# Altium PCB Load_Bank_Master.PcbDoc (part 3 of 3)
Units mil, origin at the board's own origin, x right, y up, seen from the top; angles counter-clockwise.
Board outline 5535 x 9250 mil, 4 copper layers (Top Layer, Layer 1, Layer 2, Bottom Layer), stack 62.448 mil thick; 225 components, 216 nets, 1024 pads, 192 vias.
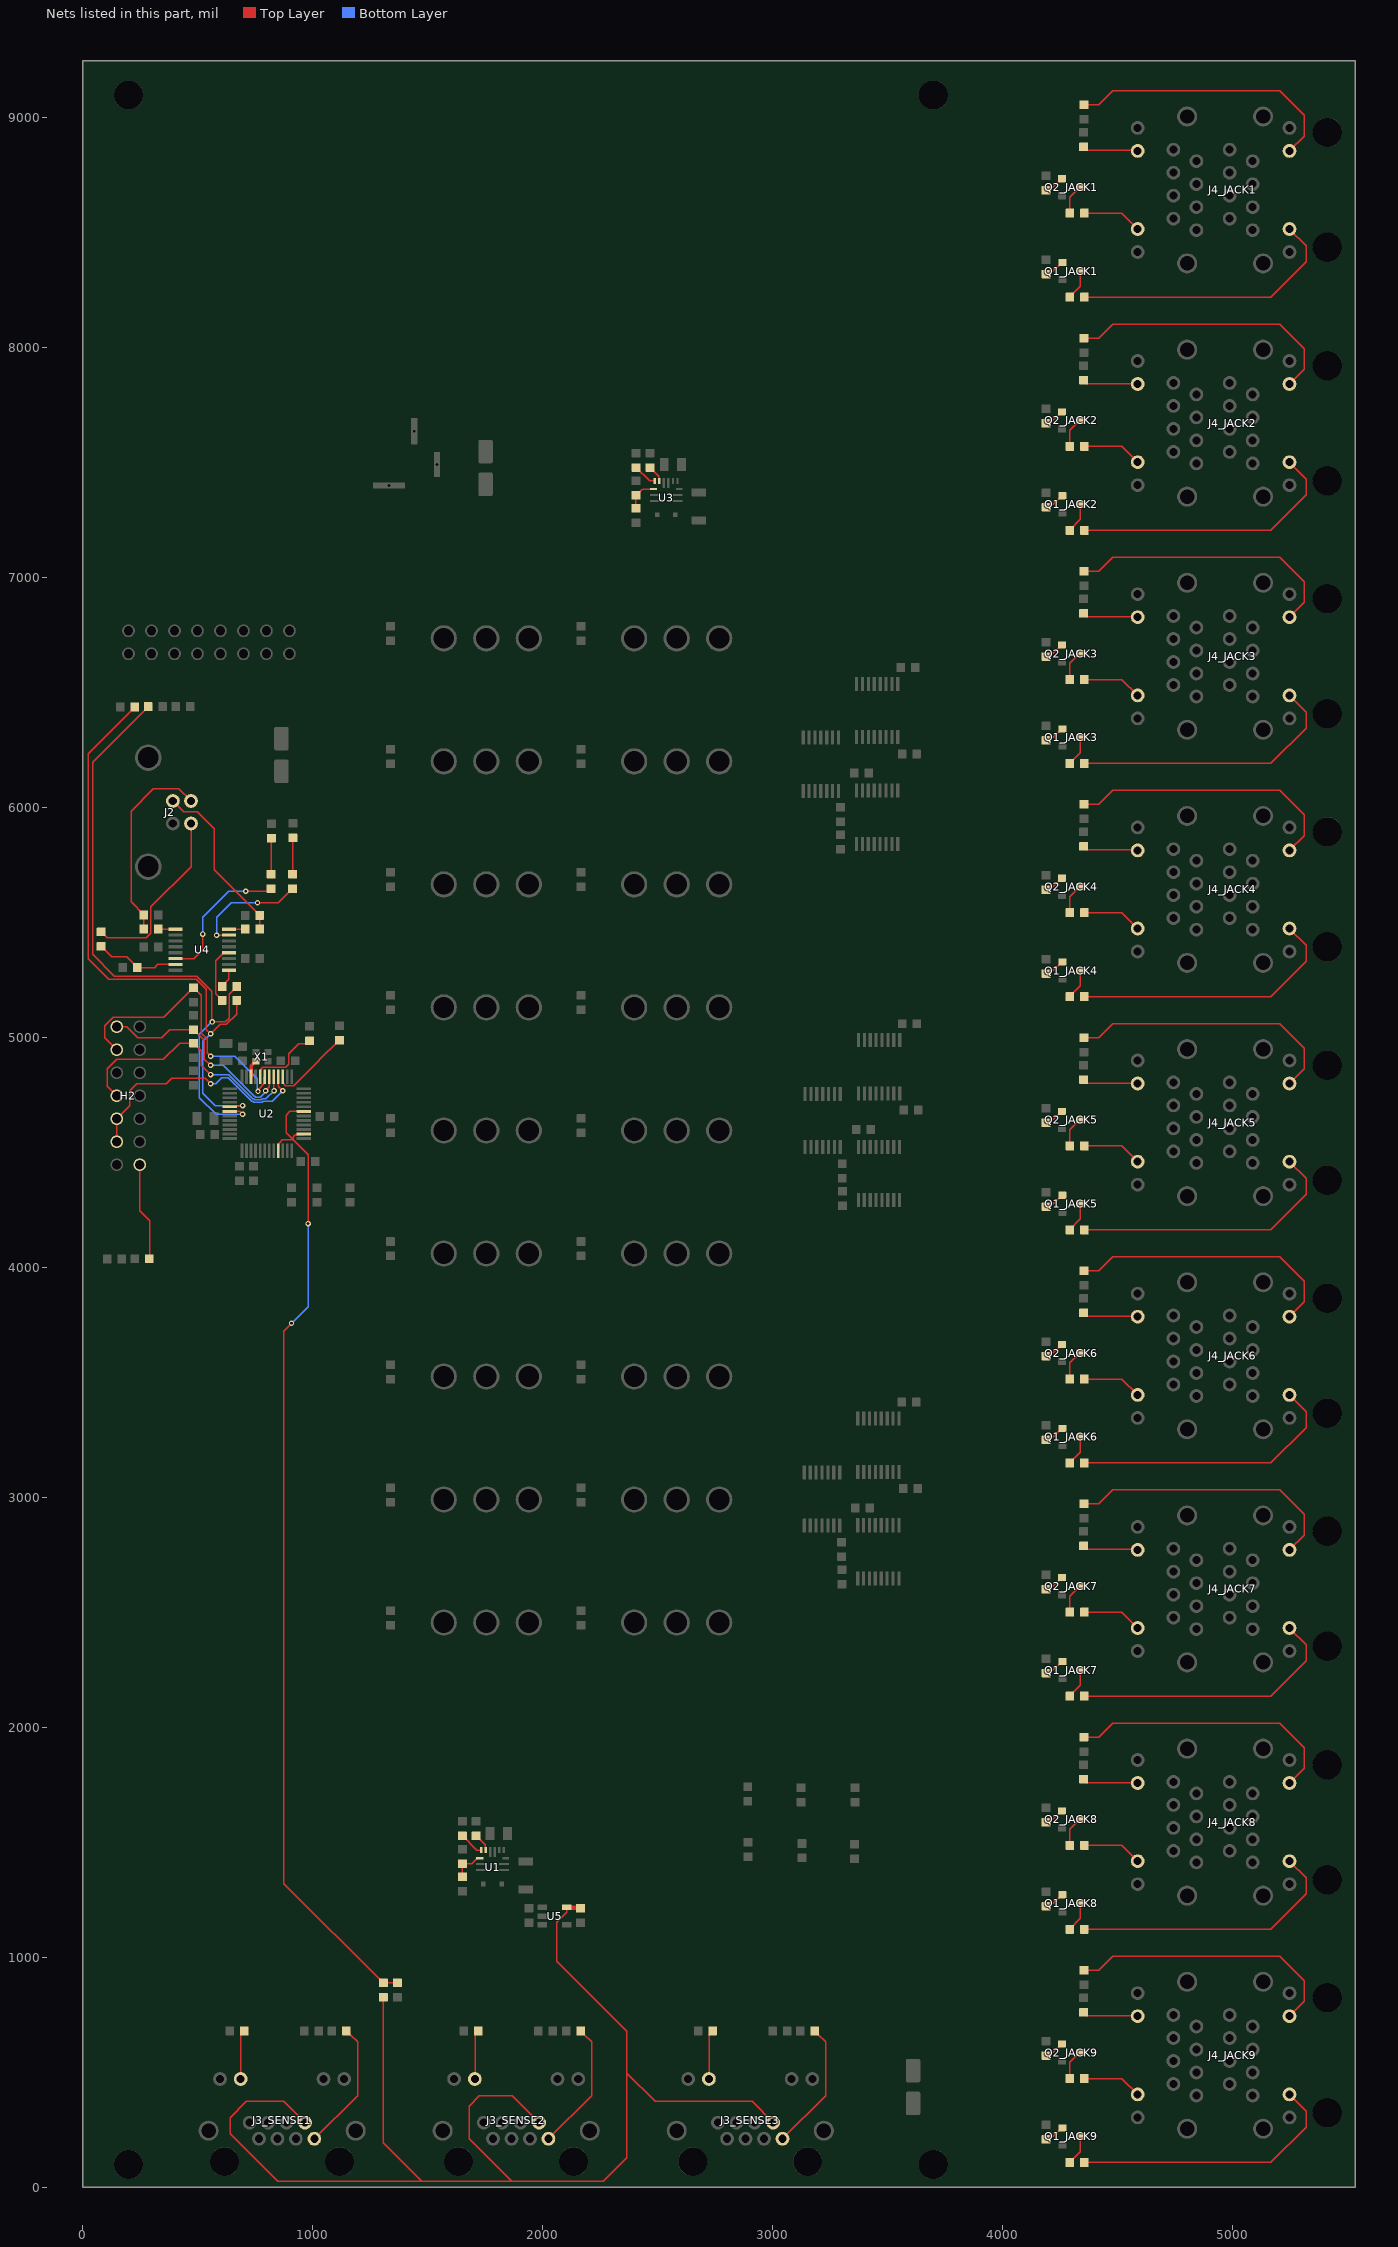
[diagram p5: the nets of this part, all layers, seen from the top]

## Via types
v1: diameter 23.62, hole 11.81, Top Layer to Bottom Layer, 192 vias

## Nets (pads, with @x,y where several pads share a name; then routed paths per layer and width w, separated by ;. In a path a pad name is that pad's centre, name@x,y a point inside that pad or via, vN(x,y) a via of type N, cw(c..) or ccw(c..) an arc to the next point about the centre after c; other vN are vias at no path point) (continued)
NetH2_14: H2.14 R32.1 | length 427.2
  Top Layer w6: H2.14@249,4448 249,4248 292,4205 292,4040 R32.1@291,4039
NetJ3_SENSE1_1: J3_SENSE1.1 R33_SENSE1.1 | length 567.3
  Top Layer w6: J3_SENSE1.1@1008,212 1196,400 1196,633 1164.5,664.5 1163.5,664.5 1148,680 R33_SENSE1.1@1148,681
NetJ3_SENSE1_11: J3_SENSE1.11 R35_SENSE1.2 | length 215.6
  Top Layer w6: J3_SENSE1.11@688,472 689.18,473.17 689.18,666.17 R35_SENSE1.2@704,681
NetJ3_SENSE2_1: J3_SENSE2.1 R33_SENSE2.1 | length 567.3
  Top Layer w6: J3_SENSE2.1@2026,212 2214,400 2214,633 2182.5,664.5 2181.5,664.5 2166,680 R33_SENSE2.1@2166,681
NetJ3_SENSE2_11: J3_SENSE2.11 R35_SENSE2.2 | length 215.6
  Top Layer w6: J3_SENSE2.11@1706,472 1707.18,473.17 1707.18,666.17 R35_SENSE2.2@1722,681
NetJ3_SENSE3_1: J3_SENSE3.1 R33_SENSE3.1 | length 567.3
  Top Layer w6: J3_SENSE3.1@3044,212 3232,400 3232,633 3200.5,664.5 3199.5,664.5 3184,680 R33_SENSE3.1@3184,681
NetJ3_SENSE3_11: J3_SENSE3.11 R35_SENSE3.2 | length 215.6
  Top Layer w6: J3_SENSE3.11@2724,472 2725.18,473.17 2725.18,666.17 R35_SENSE3.2@2740,681
NetJ4_JACK1_110: J4_JACK1.110 R38_JACK1.2 | length 1201
  Top Layer w6: R38_JACK1.2@4357,8221 5168,8221 5322,8375 5322,8444 J4_JACK1.110@5249,8517
NetJ4_JACK1_111: J4_JACK1.111 R42_JACK1.2 | length 1208.1
  Top Layer w6: R42_JACK1.2@4355,9057 4420,9057 4481,9118 5206,9118 5313,9011 5313,8921 J4_JACK1.111@5249,8857
NetJ4_JACK1_210: J4_JACK1.210 R37_JACK1.2 | length 260.6
  Top Layer w6: R37_JACK1.2@4357,8586 4520,8586 J4_JACK1.210@4589,8517
NetJ4_JACK1_211: J4_JACK1.211 R41_JACK1.2 | length 242
  Top Layer w6: R41_JACK1.2@4354,8874 4369.33,8858.67 4587.33,8858.67 J4_JACK1.211@4589,8857
NetJ4_JACK2_110: J4_JACK2.110 R38_JACK2.2 | length 1201
  Top Layer w6: R38_JACK2.2@4357,7207 5168,7207 5322,7361 5322,7430 J4_JACK2.110@5249,7503
NetJ4_JACK2_111: J4_JACK2.111 R42_JACK2.2 | length 1208.1
  Top Layer w6: R42_JACK2.2@4355,8043 4420,8043 4481,8104 5206,8104 5313,7997 5313,7907 J4_JACK2.111@5249,7843
NetJ4_JACK2_210: J4_JACK2.210 R37_JACK2.2 | length 260.6
  Top Layer w6: R37_JACK2.2@4357,7572 4520,7572 J4_JACK2.210@4589,7503
NetJ4_JACK2_211: J4_JACK2.211 R41_JACK2.2 | length 242
  Top Layer w6: R41_JACK2.2@4354,7860 4369.33,7844.67 4587.33,7844.67 J4_JACK2.211@4589,7843
NetJ4_JACK3_110: J4_JACK3.110 R38_JACK3.2 | length 1201
  Top Layer w6: R38_JACK3.2@4357,6193 5168,6193 5322,6347 5322,6416 J4_JACK3.110@5249,6489
NetJ4_JACK3_111: J4_JACK3.111 R42_JACK3.2 | length 1208.1
  Top Layer w6: R42_JACK3.2@4355,7029 4420,7029 4481,7090 5206,7090 5313,6983 5313,6893 J4_JACK3.111@5249,6829
NetJ4_JACK3_210: J4_JACK3.210 R37_JACK3.2 | length 260.6
  Top Layer w6: R37_JACK3.2@4357,6558 4520,6558 J4_JACK3.210@4589,6489
NetJ4_JACK3_211: J4_JACK3.211 R41_JACK3.2 | length 242
  Top Layer w6: R41_JACK3.2@4354,6846 4369.33,6830.68 4587.33,6830.68 J4_JACK3.211@4589,6829
NetJ4_JACK4_110: J4_JACK4.110 R38_JACK4.2 | length 1201
  Top Layer w6: R38_JACK4.2@4357,5179 5168,5179 5322,5333 5322,5402 J4_JACK4.110@5249,5475
NetJ4_JACK4_111: J4_JACK4.111 R42_JACK4.2 | length 1208.1
  Top Layer w6: R42_JACK4.2@4355,6015 4420,6015 4481,6076 5206,6076 5313,5969 5313,5879 J4_JACK4.111@5249,5815
NetJ4_JACK4_210: J4_JACK4.210 R37_JACK4.2 | length 260.6
  Top Layer w6: R37_JACK4.2@4357,5544 4520,5544 J4_JACK4.210@4589,5475
NetJ4_JACK4_211: J4_JACK4.211 R41_JACK4.2 | length 242
  Top Layer w6: R41_JACK4.2@4354,5832 4369.33,5816.68 4587.33,5816.68 J4_JACK4.211@4589,5815
NetJ4_JACK5_110: J4_JACK5.110 R38_JACK5.2 | length 1201
  Top Layer w6: R38_JACK5.2@4357,4165 5168,4165 5322,4319 5322,4388 J4_JACK5.110@5249,4461
NetJ4_JACK5_111: J4_JACK5.111 R42_JACK5.2 | length 1208.1
  Top Layer w6: R42_JACK5.2@4355,5001 4420,5001 4481,5062 5206,5062 5313,4955 5313,4865 J4_JACK5.111@5249,4801
NetJ4_JACK5_210: J4_JACK5.210 R37_JACK5.2 | length 260.6
  Top Layer w6: R37_JACK5.2@4357,4530 4520,4530 J4_JACK5.210@4589,4461
NetJ4_JACK5_211: J4_JACK5.211 R41_JACK5.2 | length 242
  Top Layer w6: R41_JACK5.2@4354,4818 4369.33,4802.68 4587.33,4802.68 J4_JACK5.211@4589,4801
NetJ4_JACK6_110: J4_JACK6.110 R38_JACK6.2 | length 1201
  Top Layer w6: R38_JACK6.2@4357,3151 5168,3151 5322,3305 5322,3374 J4_JACK6.110@5249,3447
NetJ4_JACK6_111: J4_JACK6.111 R42_JACK6.2 | length 1208.1
  Top Layer w6: R42_JACK6.2@4355,3987 4420,3987 4481,4048 5206,4048 5313,3941 5313,3851 J4_JACK6.111@5249,3787
NetJ4_JACK6_210: J4_JACK6.210 R37_JACK6.2 | length 260.6
  Top Layer w6: R37_JACK6.2@4357,3516 4520,3516 J4_JACK6.210@4589,3447
NetJ4_JACK6_211: J4_JACK6.211 R41_JACK6.2 | length 242
  Top Layer w6: R41_JACK6.2@4354,3804 4369.33,3788.68 4587.33,3788.68 J4_JACK6.211@4589,3787
NetJ4_JACK7_110: J4_JACK7.110 R38_JACK7.2 | length 1201
  Top Layer w6: R38_JACK7.2@4357,2137 5168,2137 5322,2291 5322,2360 J4_JACK7.110@5249,2433
NetJ4_JACK7_111: J4_JACK7.111 R42_JACK7.2 | length 1208.1
  Top Layer w6: R42_JACK7.2@4355,2973 4420,2973 4481,3034 5206,3034 5313,2927 5313,2837 J4_JACK7.111@5249,2773
NetJ4_JACK7_210: J4_JACK7.210 R37_JACK7.2 | length 260.6
  Top Layer w6: R37_JACK7.2@4357,2502 4520,2502 J4_JACK7.210@4589,2433
NetJ4_JACK7_211: J4_JACK7.211 R41_JACK7.2 | length 242
  Top Layer w6: R41_JACK7.2@4354,2790 4369.33,2774.68 4587.33,2774.68 J4_JACK7.211@4589,2773
NetJ4_JACK8_110: J4_JACK8.110 R38_JACK8.2 | length 1201
  Top Layer w6: R38_JACK8.2@4357,1123 5168,1123 5322,1277 5322,1346 J4_JACK8.110@5249,1419
NetJ4_JACK8_111: J4_JACK8.111 R42_JACK8.2 | length 1208.1
  Top Layer w6: R42_JACK8.2@4355,1959 4420,1959 4481,2020 5206,2020 5313,1913 5313,1823 J4_JACK8.111@5249,1759
NetJ4_JACK8_210: J4_JACK8.210 R37_JACK8.2 | length 260.6
  Top Layer w6: R37_JACK8.2@4357,1488 4520,1488 J4_JACK8.210@4589,1419
NetJ4_JACK8_211: J4_JACK8.211 R41_JACK8.2 | length 242
  Top Layer w6: R41_JACK8.2@4354,1776 4369.33,1760.68 4587.33,1760.68 J4_JACK8.211@4589,1759
NetJ4_JACK9_110: J4_JACK9.110 R38_JACK9.2 | length 1201
  Top Layer w6: R38_JACK9.2@4357,109 5168,109 5322,263 5322,332 J4_JACK9.110@5249,405
NetJ4_JACK9_111: J4_JACK9.111 R42_JACK9.2 | length 1208.1
  Top Layer w6: R42_JACK9.2@4355,945 4420,945 4481,1006 5206,1006 5313,899 5313,809 J4_JACK9.111@5249,745
NetJ4_JACK9_210: J4_JACK9.210 R37_JACK9.2 | length 260.6
  Top Layer w6: R37_JACK9.2@4357,474 4520,474 J4_JACK9.210@4589,405
NetJ4_JACK9_211: J4_JACK9.211 R41_JACK9.2 | length 242
  Top Layer w6: R41_JACK9.2@4354,762 4369.33,746.67 4587.33,746.67 J4_JACK9.211@4589,745
NetQ1_JACK1_1: Q1_JACK1.1 R38_JACK1.1 | length 132.1
  Top Layer w6: R38_JACK1.1@4294,8221 4294,8222 4340,8268 Q1_JACK1.1@4340,8334
NetQ1_JACK1_2: Q1_JACK1.2 R39_JACK1.1 | length 90.7
  Top Layer w6: R39_JACK1.1@4191,8321 4204.65,8334.65 4222.65,8334.65 4259,8371 Q1_JACK1.2@4261,8371
NetQ1_JACK2_1: Q1_JACK2.1 R38_JACK2.1 | length 132.1
  Top Layer w6: R38_JACK2.1@4294,7207 4294,7208 4340,7254 Q1_JACK2.1@4340,7320
NetQ1_JACK2_2: Q1_JACK2.2 R39_JACK2.1 | length 90.7
  Top Layer w6: R39_JACK2.1@4191,7307 4204.65,7320.65 4222.65,7320.65 4259,7357 Q1_JACK2.2@4261,7357
NetQ1_JACK3_1: Q1_JACK3.1 R38_JACK3.1 | length 132.1
  Top Layer w6: R38_JACK3.1@4294,6193 4294,6194 4340,6240 Q1_JACK3.1@4340,6306
NetQ1_JACK3_2: Q1_JACK3.2 R39_JACK3.1 | length 90.7
  Top Layer w6: R39_JACK3.1@4191,6293 4204.65,6306.65 4222.65,6306.65 4259,6343 Q1_JACK3.2@4261,6343
NetQ1_JACK4_1: Q1_JACK4.1 R38_JACK4.1 | length 132.1
  Top Layer w6: R38_JACK4.1@4294,5179 4294,5180 4340,5226 Q1_JACK4.1@4340,5292
NetQ1_JACK4_2: Q1_JACK4.2 R39_JACK4.1 | length 90.7
  Top Layer w6: R39_JACK4.1@4191,5279 4204.65,5292.65 4222.65,5292.65 4259,5329 Q1_JACK4.2@4261,5329
NetQ1_JACK5_1: Q1_JACK5.1 R38_JACK5.1 | length 132.1
  Top Layer w6: R38_JACK5.1@4294,4165 4294,4166 4340,4212 Q1_JACK5.1@4340,4278
NetQ1_JACK5_2: Q1_JACK5.2 R39_JACK5.1 | length 90.7
  Top Layer w6: R39_JACK5.1@4191,4265 4204.65,4278.65 4222.65,4278.65 4259,4315 Q1_JACK5.2@4261,4315
NetQ1_JACK6_1: Q1_JACK6.1 R38_JACK6.1 | length 132.1
  Top Layer w6: R38_JACK6.1@4294,3151 4294,3152 4340,3198 Q1_JACK6.1@4340,3264
NetQ1_JACK6_2: Q1_JACK6.2 R39_JACK6.1 | length 90.7
  Top Layer w6: R39_JACK6.1@4191,3251 4204.65,3264.65 4222.65,3264.65 4259,3301 Q1_JACK6.2@4261,3301
NetQ1_JACK7_1: Q1_JACK7.1 R38_JACK7.1 | length 132.1
  Top Layer w6: R38_JACK7.1@4294,2137 4294,2138 4340,2184 Q1_JACK7.1@4340,2250
NetQ1_JACK7_2: Q1_JACK7.2 R39_JACK7.1 | length 90.7
  Top Layer w6: R39_JACK7.1@4191,2237 4204.65,2250.65 4222.65,2250.65 4259,2287 Q1_JACK7.2@4261,2287
NetQ1_JACK8_1: Q1_JACK8.1 R38_JACK8.1 | length 132.1
  Top Layer w6: R38_JACK8.1@4294,1123 4294,1124 4340,1170 Q1_JACK8.1@4340,1236
NetQ1_JACK8_2: Q1_JACK8.2 R39_JACK8.1 | length 90.7
  Top Layer w6: R39_JACK8.1@4191,1223 4204.65,1236.65 4222.65,1236.65 4259,1273 Q1_JACK8.2@4261,1273
NetQ1_JACK9_1: Q1_JACK9.1 R38_JACK9.1 | length 132.1
  Top Layer w6: R38_JACK9.1@4294,109 4294,110 4340,156 Q1_JACK9.1@4340,222
NetQ1_JACK9_2: Q1_JACK9.2 R39_JACK9.1 | length 90.7
  Top Layer w6: R39_JACK9.1@4191,209 4204.65,222.65 4222.65,222.65 4259,259 Q1_JACK9.2@4261,259
NetQ2_JACK1_1: Q2_JACK1.1 R37_JACK1.1 | length 132.8
  Top Layer w6: R37_JACK1.1@4294,8586 4294,8656 4337,8699 Q2_JACK1.1@4339,8699
NetQ2_JACK1_2: Q2_JACK1.2 R40_JACK1.1 | length 90.7
  Top Layer w6: R40_JACK1.1@4190,8686 4203.65,8699.65 4221.65,8699.65 4258,8736 Q2_JACK1.2@4260,8736
NetQ2_JACK2_1: Q2_JACK2.1 R37_JACK2.1 | length 132.8
  Top Layer w6: R37_JACK2.1@4294,7572 4294,7642 4337,7685 Q2_JACK2.1@4339,7685
NetQ2_JACK2_2: Q2_JACK2.2 R40_JACK2.1 | length 90.7
  Top Layer w6: R40_JACK2.1@4190,7672 4203.65,7685.65 4221.65,7685.65 4258,7722 Q2_JACK2.2@4260,7722
NetQ2_JACK3_1: Q2_JACK3.1 R37_JACK3.1 | length 132.8
  Top Layer w6: R37_JACK3.1@4294,6558 4294,6628 4337,6671 Q2_JACK3.1@4339,6671
NetQ2_JACK3_2: Q2_JACK3.2 R40_JACK3.1 | length 90.7
  Top Layer w6: R40_JACK3.1@4190,6658 4203.65,6671.65 4221.65,6671.65 4258,6708 Q2_JACK3.2@4260,6708
NetQ2_JACK4_1: Q2_JACK4.1 R37_JACK4.1 | length 132.8
  Top Layer w6: R37_JACK4.1@4294,5544 4294,5614 4337,5657 Q2_JACK4.1@4339,5657
NetQ2_JACK4_2: Q2_JACK4.2 R40_JACK4.1 | length 90.7
  Top Layer w6: R40_JACK4.1@4190,5644 4203.65,5657.65 4221.65,5657.65 4258,5694 Q2_JACK4.2@4260,5694
NetQ2_JACK5_1: Q2_JACK5.1 R37_JACK5.1 | length 132.8
  Top Layer w6: R37_JACK5.1@4294,4530 4294,4600 4337,4643 Q2_JACK5.1@4339,4643
NetQ2_JACK5_2: Q2_JACK5.2 R40_JACK5.1 | length 90.7
  Top Layer w6: R40_JACK5.1@4190,4630 4203.65,4643.65 4221.65,4643.65 4258,4680 Q2_JACK5.2@4260,4680
NetQ2_JACK6_1: Q2_JACK6.1 R37_JACK6.1 | length 132.8
  Top Layer w6: R37_JACK6.1@4294,3516 4294,3586 4337,3629 Q2_JACK6.1@4339,3629
NetQ2_JACK6_2: Q2_JACK6.2 R40_JACK6.1 | length 90.7
  Top Layer w6: R40_JACK6.1@4190,3616 4203.65,3629.65 4221.65,3629.65 4258,3666 Q2_JACK6.2@4260,3666
NetQ2_JACK7_1: Q2_JACK7.1 R37_JACK7.1 | length 132.8
  Top Layer w6: R37_JACK7.1@4294,2502 4294,2572 4337,2615 Q2_JACK7.1@4339,2615
NetQ2_JACK7_2: Q2_JACK7.2 R40_JACK7.1 | length 90.7
  Top Layer w6: R40_JACK7.1@4190,2602 4203.65,2615.65 4221.65,2615.65 4258,2652 Q2_JACK7.2@4260,2652
NetQ2_JACK8_1: Q2_JACK8.1 R37_JACK8.1 | length 132.8
  Top Layer w6: R37_JACK8.1@4294,1488 4294,1558 4337,1601 Q2_JACK8.1@4339,1601
NetQ2_JACK8_2: Q2_JACK8.2 R40_JACK8.1 | length 90.7
  Top Layer w6: R40_JACK8.1@4190,1588 4203.65,1601.65 4221.65,1601.65 4258,1638 Q2_JACK8.2@4260,1638
NetQ2_JACK9_1: Q2_JACK9.1 R37_JACK9.1 | length 132.8
  Top Layer w6: R37_JACK9.1@4294,474 4294,544 4337,587 Q2_JACK9.1@4339,587
NetQ2_JACK9_2: Q2_JACK9.2 R40_JACK9.1 | length 90.7
  Top Layer w6: R40_JACK9.1@4190,574 4203.65,587.65 4221.65,587.65 4258,624 Q2_JACK9.2@4260,624
NetR1_1: R1.1 R3.2 U1.1 | length 142.8
  Top Layer w6: R1.1@1652,1351 R3.2@1652,1408 1693.03,1408 1717.06,1432.02 U1.1@1727.88,1432.02
NetR2_2: R2.2 U1.17 | length 79.3
  Top Layer w6: R2.2@1712,1529 1713,1529 1751.76,1490.24 1751.76,1469.17 U1.17@1753.47,1467.46
NetR4_2: R4.2 U1.18 | length 107.3
  Top Layer w6: R4.2@1652,1529 1653,1529 1714.54,1467.46 U1.18@1733.79,1467.46
NetR6_2: R6.2 U2.32 | length 322.8
  Top Layer w6: U2.32@772.5,4831 772.5,4856.6 778.3,4862.4 778.3,4865.47 784.7,4871.87 883.1,4871.87 896.55,4885.32 896.55,4929.55 940.35,4973.35 974.35,4973.35 R6.2@988,4987
NetR7_2: R7.2 R9.2 U3.1 | length 143.7
  Top Layer w6: R7.2@2407,7303 R9.2@2407,7360 2408,7360 2431,7383 2433,7383 2436.02,7386.02 U3.1@2482.88,7386.02
NetR8_2: R8.2 U3.17 | length 75.9
  Top Layer w6: R8.2@2468,7480 2469,7480 2506.55,7442.45 2506.55,7423.38 U3.17@2508.47,7421.46
NetR10_2: R10.2 U2.27 | length 361.5
  Top Layer w6: U2.27@870.9,4831 870.9,4805.4 876.7,4799.6 876.7,4796.53 881.73,4791.5 919.17,4791.5 1030.35,4902.68 1030.35,4903.35 1116,4989 R10.2@1117,4989
NetR11_2: R11.2 U3.18 | length 106
  Top Layer w6: R11.2@2407,7480 2408,7480 2466.54,7421.46 U3.18@2488.79,7421.46
NetR14_1: R14.1 U4.1 | length 82.6
  Top Layer w6: R14.1@607,5223 607,5224 637,5254 U4.1@637,5293.2
NetR15_1: R15.1 U4.4 | length 256.8
  Top Layer w6: R15.1@607,5163 607,5164 578.5,5192.5 578.5,5335 613.5,5370 U4.4@637,5370
NetR16_2: R16.2 U4.9 | length 75.2
  Top Layer w6: R16.2@330,5473 330.6,5472.4 U4.9@405,5472.4
NetR17_2: R17.2 U4.8 | length 70.2
  Top Layer w6: U4.8@637,5472.4 706.4,5472.4 R17.2@707,5473
NetR18_1: R18.1 R19.2 U4.15 | length 368.4
  Top Layer w6: R18.1@81,5397 82,5397 127.5,5351.5 192.5,5351.5 238,5306 R19.2@238,5305 314,5305 327.8,5318.8 U4.15@405,5318.8
NetR20_1: R20.1 U4.7 | length 515.1
  Top Layer w6: v1(583,5446) 583.4,5446.4 636.6,5446.4 U4.7@637,5446.8 ; v1(761,5587) 851,5587 913,5649 R20.1@914,5649
  Bottom Layer w6: v1(583,5446) 583,5524 646,5587 v1(761,5587)
NetR20_2: R20.2 TX.1 | length 158.1
  Top Layer w6: R20.2@913.5,5712.5 R20.2@914,5712 914.5,5712.5 914.5,5868.5 TX.1@915,5869
NetR21_1: R21.1 U4.14 | length 623.8
  Top Layer w6: U4.14@405,5344.4 484.4,5344.4 523,5383 v1(523,5451) ; v1(710,5637) 808,5637 R21.1@820,5649
  Bottom Layer w6: v1(523,5451) 523,5524 636,5637 v1(710,5637)
NetR21_2: R21.2 RX.1 | length 156.4
  Top Layer w6: R21.2@820,5712 820.5,5712.5 820.5,5867.5 RX.1@821,5868
NetU2_34: U2.34 X1.3 | length 81.2
  Top Layer w6: U2.34@733.1,4831 U2.34@736,4833.9
  Top Layer w15: U2.34@733.1,4831 733.1,4879.2 752.5,4898.6 X1.3@754,4898.6
SCI_RX: R12.2 R14.2 U2.42 | length 2761.1
  Top Layer w6: R12.2@285,6440 285,6439 44,6198 44,5363 139,5268 496.79,5268 562,5202.79 562,5069 v1(563.81,5069) 621.23,5069 637.86,5085.64 637.86,5189.86 670,5222 R14.2@670,5223 ; U2.42@641,4679.8 684.2,4679.8 v1@697,4667
  Bottom Layer w6: v1(563.81,5069) 562,5069 508,5015 508,4740 581,4667 v1(696,4667)
SCI_TX: R13.2 R15.2 U2.41 | length 2681.7
  Top Layer w6: R13.2@228,6439 228,6438 25,6235 25,5344 115,5254 495.23,5254 539,5210.23 539,5035 v1(557,5017) 598,5058 626,5058 670,5102 R15.2@670,5163 ; U2.41@641,4699.5 643.75,4702.25 693.25,4702.25 v1(696,4705)
  Bottom Layer w6: v1(557,5017) 524,4984 524,4759 578,4705 v1(696,4705)
TCK: H2.9 H2.11 U2.28 | length 1088.2
  Top Layer w6: H2.11@149,4548 H2.9@149,4648 206,4705 206,4770 235,4799 363.5,4799 388.5,4824 533,4824 v1(557,4800) ; U2.28@851.2,4831 851.2,4789.8 870.65,4770.35 v1(870.65,4769.3)
  Bottom Layer w6: v1(557,4800) 578.91,4800 605.72,4826.81 632.96,4826.81 736.58,4723.19 740.61,4723.19 743.87,4719.93 782.65,4719.93 785.91,4723.19 824.19,4723.19 870.3,4769.3 v1(870.65,4769.3)
TDI: H2.3 R27.1 U2.31 | length 1286.7
  Top Layer w6: H2.3@149,4948 97,5000 97,5053.28 133.72,5090 354,5090 482,5218 484,5218 499.5,5202.5 499.5,5201.5 517,5184 517,5019 542,4994 542,4935 v1(557,4920) ; v1(763.26,4766.74) 763.26,4771.51 771.19,4779.44 771.19,4781.19 789.3,4799.3 789.3,4828.1 U2.31@792.2,4831
  Bottom Layer w6: v1(557,4920) 662,4920 760,4822 760,4770 v1(763.26,4766.74)
TDO: H2.7 R30.1 U2.29 | length 1120.8
  Top Layer w6: H2.7@149,4748 108.5,4788.5 108.5,4864.78 149.72,4906 351,4906 422,4977 R30.1@483,4977 484,4977 499.5,4961.5 499.5,4960.5 517,4943 517,4880 v1(557,4840) ; U2.29@831.5,4831 831.5,4772.5 v1@833,4771
  Bottom Layer w6: v1(557,4840) 635.33,4840 741.14,4734.19 745.17,4734.19 748.43,4730.93 778.09,4730.93 781.35,4734.19 797.19,4734.19 v1(833,4770)
TMS: H2.1 R23.1 U2.30 | length 933.3
  Top Layer w6: H2.1@149,5048 191.72,5048 239.72,5000 344,5000 379,5035 R23.1@483,5035 484,5035 530,4989 530,4907 v1(557,4880) ; v1(796,4770) 796,4772.07 811.8,4787.87 U2.30@811.8,4831
  Bottom Layer w6: v1(557,4880) 612,4880 746.81,4745.19 749.72,4745.19 752.98,4741.93 773.54,4741.93 788.07,4756.46 788.07,4757.3 796,4765.23 v1(796,4770)
USB_VCC: J2.1 R18.2 | length 785.1
  Top Layer w6: R18.2@81,5460 107,5434 276.23,5434 297,5454.77 297,5569 472,5744 J2.1@472,5932
USBD+: C19.2 J2.3 R17.1 | length 746.5
  Top Layer w6: J2.3@393,6030 441,5982 498,5982 572,5908 572,5731 770,5533 C19.2@770,5532 R17.1@770,5473
USBD-: C17.2 J2.2 R16.1 | length 859.3
  Top Layer w6: R16.1@267,5473 C17.2@267,5534 267,5535 211,5591 211,5986 308,6083 419,6083 J2.2@472,6030
VREF: C21.2 J3_SENSE1.2 J3_SENSE2.2 J3_SENSE3.2 R22.1 U5.5 | length 6013.1
  Top Layer w6: J3_SENSE1.2@967.75,282 875.75,374 713,374 642,303 642,234 849,27 1475,27 ; R22.1@1308,827 1308,194 1475,27 ; J3_SENSE2.2@1985.75,282 1868.75,399 1726,399 1681,354 1681,213 1867,27 ; U5.5@2089.7,1209 U5.5@2098.7,1218 ; U5.5@2089.7,1227 U5.5@2098.7,1218 ; J3_SENSE3.2@3003.75,282 2911.75,374 2490,374 2367,497 ; 1475,27 1867,27 ; 1867,27 2264,27 2367,130 2367,497 ; U5.5@2098.7,1218 U5.5@2106,1218 2106,1197 2062,1153 2062,985 2367,680 2367,497
  Top Layer w20: U5.5@2106,1218 2107.5,1216.5 2164.5,1216.5 C21.2@2166,1215
VREF_1V67: R22.2 R28.2 U2.9 U2.14 U2.19 | length 4349.8
  Top Layer w6: U2.9@851.2,4509 854.1,4511.9 854.1,4540.57 857,4543.47 869.53,4556 916,4556 ; v1(909,3758) 875,3724 875,1322 1307,890 R22.2@1308,890 R28.2@1369,890 ; U2.14@963,4581.4 960.1,4578.5 924.5,4578.5 916,4570 916,4556 ; U2.19@963,4679.8 901.11,4679.8 885,4663.69 885,4587 916,4556 ; v1(981,4192) 981,4491 916,4556
  Bottom Layer w6: v1(909,3758) 981,3830 v1(981,4192)
pads on no net: H1.3 H1.4 H1.7 H1.8 H1.9 H1.10 H1.12 H1.13 H1.14 H1.15 H1.16 H2.2 H2.6 J1.3 J3_SENSE1. J3_SENSE1.3 J3_SENSE1.4 J3_SENSE1.5 J3_SENSE1.6 J3_SENSE1.9 J3_SENSE1.10 J3_SENSE2. J3_SENSE2.3 J3_SENSE2.4 J3_SENSE2.5 J3_SENSE2.6 J3_SENSE2.9 J3_SENSE2.10 J3_SENSE3. J3_SENSE3.3 J3_SENSE3.4 J3_SENSE3.5 J3_SENSE3.6 J3_SENSE3.9 J3_SENSE3.10 J4_JACK1. J4_JACK1.103 J4_JACK1.104 J4_JACK1.105 J4_JACK1.106 J4_JACK1.203 J4_JACK1.204 J4_JACK1.205 J4_JACK1.206 J4_JACK2. J4_JACK2.103 J4_JACK2.104 J4_JACK2.105 J4_JACK2.106 J4_JACK2.203 J4_JACK2.204 J4_JACK2.205 J4_JACK2.206 J4_JACK3. J4_JACK3.103 J4_JACK3.104 J4_JACK3.105 J4_JACK3.106 J4_JACK3.203 J4_JACK3.204 J4_JACK3.205 J4_JACK3.206 J4_JACK4. J4_JACK4.103 J4_JACK4.104 J4_JACK4.105 J4_JACK4.106 J4_JACK4.203 J4_JACK4.204 J4_JACK4.205 J4_JACK4.206 J4_JACK5. J4_JACK5.103 J4_JACK5.104 J4_JACK5.105 J4_JACK5.106 J4_JACK5.203 J4_JACK5.204 J4_JACK5.205 J4_JACK5.206 J4_JACK6. J4_JACK6.103 J4_JACK6.104 J4_JACK6.105 J4_JACK6.106 J4_JACK6.203 J4_JACK6.204 J4_JACK6.205 J4_JACK6.206 J4_JACK7. J4_JACK7.103 J4_JACK7.104 J4_JACK7.105 J4_JACK7.106 J4_JACK7.203 J4_JACK7.204 J4_JACK7.205 J4_JACK7.206 J4_JACK8. J4_JACK8.103 J4_JACK8.104 J4_JACK8.105 J4_JACK8.106 J4_JACK8.203 J4_JACK8.204 J4_JACK8.205 J4_JACK8.206 J4_JACK9. J4_JACK9.103 J4_JACK9.104 J4_JACK9.105 J4_JACK9.106 J4_JACK9.203 J4_JACK9.204 J4_JACK9.205 J4_JACK9.206 U1.2 U1.4 U1.10 U1.11 U1.15 U2.8 U2.10 U2.11 U3.2 U3.4 U3.10 U3.11 U3.15 U4.2 U4.6 U4.16 U5.4

## Polygon pours and split planes (outlines as drawn)
+3V3 on Top Layer "+3V3_L01_P061" (solid, pour order 61): 799.36,6093.36 ccw(c816.26,6093.36) 804.31,6081.41 809.36,6076.36 923.36,6076.36 ccw(c923.36,6088.43) 931.89,6079.89 933.36,6081.36 ccw(c923.7,6091.02) 937.36,6091.02 937.36,6092.36 ccw(c918.04,6092.36) 931.7,6106.02 930.36,6107.36 ccw(c923.11,6100.12) 923.11,6110.36 919.36,6110.36 cw(c919.36,6132.36) 897.36,6132.36 897.36,6200.36 ccw(c887.36,6200.36) 887.36,6210.36 842.36,6210.36 ccw(c842.36,6201.36) 833.36,6201.36 833.36,6127.36 cw(c815.36,6127.36) 815.36,6109.36 ccw(c815.36,6093.36)
+3V3 on Top Layer "+3V3_L01_P060" (solid, pour order 60): 802,4880 cw(c806,4896) 790,4900 790,4936 cw(c806,4936) 806,4952 843,4952 cw(c843,4913) 882,4913 882,4890 cw(c872,4890) 872,4880
GND on Top Layer "GND_L01_P059" (solid, pour order 59): 596,4958 596,4993 cw(c624,4993) 624,5021 685,5021 cw(c685,4936) 770,4936 770,4929 cw(c762,4929) 762,4921 741,4921 cw(c741,4937) 725,4937 ccw(c718,4937) 718,4944 673,4944 cw(c673,4952) 665,4952 ccw(c661,4952) 661,4956 641,4956
GND on Top Layer "GND_L01_P058" (solid, pour order 58): 931,6367 ccw(c914.1,6367) 926.05,6378.95 921,6384 807,6384 ccw(c807,6371.93) 798.46,6380.46 797,6379 ccw(c806.66,6369.34) 793,6369.34 793,6368 ccw(c812.31,6368) 798.66,6354.34 800,6353 ccw(c807.24,6360.24) 807.24,6350 811,6350 cw(c811,6328) 833,6328 833,6260 ccw(c843,6260) 843,6250 888,6250 ccw(c888,6259) 897,6259 897,6333 cw(c915,6333) 915,6351 ccw(c915,6367)
GND on Top Layer "GND_L01_P012" (solid, pour order 12): 1687,7341 ccw(c1703.9,7341) 1691.95,7329.05 1697,7324 1811,7324 ccw(c1811,7336.07) 1819.54,7327.54 1821,7329 ccw(c1811.34,7338.66) 1825,7338.66 1825,7340 ccw(c1805.69,7340) 1819.34,7353.66 1818,7355 ccw(c1810.76,7347.76) 1810.76,7358 1807,7358 cw(c1807,7380) 1785,7380 1785,7448 ccw(c1775,7448) 1775,7458 1730,7458 ccw(c1730,7449) 1721,7449 1721,7375 cw(c1703,7375) 1703,7357 ccw(c1703,7341)
+12 on Top Layer "+12_L01_P014" (solid, pour order 14): 1776,7498 ccw(c1776,7506) 1784,7506 1784,7569 cw(c1811,7569) 1811,7596 ccw(c1811,7611) 1826,7611 1826,7613 ccw(c1811,7613) 1811,7628 1708,7628 ccw(c1708,7610) 1690,7610 ccw(c1705,7610) 1705,7595 1706,7595 cw(c1706,7583) 1718,7583 1718,7507 ccw(c1727,7507) 1727,7498
+3V3 on Top Layer "+3V3_L01_P001" (solid, pour order 1): 466.65,5174.17 466.17,5174.17 ccw(c466.17,5172) 464,5172 464,5164 cw(c443,5164) 443,5143 ccw(c443,5128) 428,5128 428,5126 ccw(c443,5126) 443,5111 452,5111 cw(c452,5098) 465,5098 465,5082 ccw(c467,5082) 467,5080 502,5080 ccw(c502,5081) 503,5081 503,5171 ccw(c500,5171) 500,5174
+3V3 on Top Layer "+3V3_L01_P002" (solid, pour order 2): 151.83,4021.65 151.83,4021.17 ccw(c154,4021.17) 154,4019 162,4019 cw(c162,3998) 183,3998 ccw(c198,3998) 198,3983 200,3983 ccw(c200,3998) 215,3998 215,4007 cw(c228,4007) 228,4020 244,4020 ccw(c244,4022) 246,4022 246,4057 ccw(c245,4057) 245,4058 155,4058 ccw(c155,4055) 152,4055
GND on Top Layer "GND_L01_P019" (solid, pour order 19): 1808,1454 1808,1482 cw(c1813,1482) 1813,1487 1816,1487 ccw(c1816,1499) 1828,1499 1828,1563 cw(c1832,1563) 1832,1567 1865,1567 cw(c1865,1560) 1872,1560 1872,1539 ccw(c1889,1539) 1889,1522 cw(c1889,1492) 1919,1492 1919,1457 ccw(c1936,1457) 1936,1440 1954,1440 cw(c1954,1429) 1965,1429 1965,1403 cw(c1958,1403) 1958,1396 1901,1396 cw(c1901,1404) 1893,1404 1893,1417 ccw(c1886,1417) 1886,1424 1838,1424 cw(c1838,1454)
+3V3 on Top Layer "+3V3_L01_P000" (solid, pour order 0): 467.65,4932.17 467.17,4932.17 ccw(c467.17,4930) 465,4930 465,4922 cw(c444,4922) 444,4901 ccw(c444,4886) 429,4886 429,4884 ccw(c444,4884) 444,4869 453,4869 cw(c453,4856) 466,4856 466,4840 ccw(c468,4840) 468,4838 503,4838 ccw(c503,4839) 504,4839 504,4929 ccw(c501,4929) 501,4932
+3V3 on Top Layer "+3V3_L01_P024" (solid, pour order 24): 2565.56,7314.17 2608.87,7314.17 cw(c2608.87,7288.04) 2635,7288.04 2635,7284 ccw(c2652,7284) 2652,7267 2708,7267 cw(c2708,7263) 2712,7263 2712,7233 cw(c2711,7233) 2711,7232 2570.96,7232 cw(c2570.96,7237.4) 2565.56,7237.4
GND on Top Layer "GND_L01_P020" (solid, pour order 20): 2561,7409 2561,7437 cw(c2566,7437) 2566,7442 2569,7442 ccw(c2569,7454) 2581,7454 2581,7518 cw(c2585,7518) 2585,7522 2618,7522 cw(c2618,7515) 2625,7515 2625,7494 ccw(c2642,7494) 2642,7477 cw(c2642,7447) 2672,7447 2672,7412 ccw(c2689,7412) 2689,7395 2707,7395 cw(c2707,7384) 2718,7384 2718,7358 cw(c2711,7358) 2711,7351 2654,7351 cw(c2654,7359) 2646,7359 2646,7372 ccw(c2639,7372) 2639,7379 2591,7379 cw(c2591,7409)
+5 on Top Layer "+5_L01_P018" (solid, pour order 18): 1853.87,1360.17 1853.87,1326.71 ccw(c1884.55,1357.39) 1884.55,1314 1954.17,1314 cw(c1954.17,1307.17) 1959,1312 cw(c1954.17,1307.17) 1961,1307.17 1961,1280.66 ccw(c1974.66,1280.66) 1965,1271 1965.17,1270.83 ccw(c1972,1277.66) 1972,1268 2008,1268 cw(c2008,1254) 2022,1254 2022,1216 cw(c2012,1216) 2012,1206 1925,1206 cw(c1925,1214) 1917,1214 1917,1229 ccw(c1906,1229) 1906,1240 1896,1240 cw(c1896,1256) 1880,1256 1880,1257.27 ccw(c1853.87,1257.27) 1853.87,1283.4 1810.56,1283.4 1810.56,1360.17
GND on Top Layer "GND_L01_P016" (solid, pour order 16): 3546,300 ccw(c3562.9,300) 3550.95,288.05 3556,283 3670,283 ccw(c3670,295.07) 3678.54,286.54 3680,288 ccw(c3670.34,297.66) 3684,297.66 3684,299 ccw(c3664.69,299) 3678.34,312.66 3677,314 ccw(c3669.76,306.76) 3669.76,317 3666,317 cw(c3666,339) 3644,339 3644,407 ccw(c3634,407) 3634,417 3589,417 ccw(c3589,408) 3580,408 3580,334 cw(c3562,334) 3562,316 ccw(c3562,300)
+12 on Top Layer "+12_L01_P015" (solid, pour order 15): 3637,457 ccw(c3637,465) 3645,465 3645,528 cw(c3672,528) 3672,555 ccw(c3672,570) 3687,570 3687,572 ccw(c3672,572) 3672,587 3569,587 ccw(c3569,569) 3551,569 ccw(c3566,569) 3566,554 3567,554 cw(c3567,542) 3579,542 3579,466 ccw(c3588,466) 3588,457
GND on Top Layer "GND_L01_P011" (solid, pour order 11): 4336.74,9012.9 4336.27,9012.9 ccw(c4336.27,9010.73) 4334.1,9010.73 4334.1,9002.73 cw(c4313.1,9002.73) 4313.1,8981.73 ccw(c4313.1,8966.73) 4298.1,8966.73 4298.1,8964.73 ccw(c4313.1,8964.73) 4313.1,8949.73 4322.1,8949.73 cw(c4322.1,8936.73) 4335.1,8936.73 4335.1,8920.73 ccw(c4337.1,8920.73) 4337.1,8918.73 4372.1,8918.73 ccw(c4372.1,8919.73) 4373.1,8919.73 4373.1,9009.73 ccw(c4370.1,9009.73) 4370.1,9012.73
GND on Top Layer "GND_L01_P010" (solid, pour order 10): 4336.74,7998.9 4336.27,7998.9 ccw(c4336.27,7996.73) 4334.1,7996.73 4334.1,7988.73 cw(c4313.1,7988.73) 4313.1,7967.73 ccw(c4313.1,7952.73) 4298.1,7952.73 4298.1,7950.73 ccw(c4313.1,7950.73) 4313.1,7935.73 4322.1,7935.73 cw(c4322.1,7922.73) 4335.1,7922.73 4335.1,7906.73 ccw(c4337.1,7906.73) 4337.1,7904.73 4372.1,7904.73 ccw(c4372.1,7905.73) 4373.1,7905.73 4373.1,7995.73 ccw(c4370.1,7995.73) 4370.1,7998.73
GND on Top Layer "GND_L01_P009" (solid, pour order 9): 4336.74,6984.9 4336.27,6984.9 ccw(c4336.27,6982.73) 4334.1,6982.73 4334.1,6974.73 cw(c4313.1,6974.73) 4313.1,6953.73 ccw(c4313.1,6938.73) 4298.1,6938.73 4298.1,6936.73 ccw(c4313.1,6936.73) 4313.1,6921.73 4322.1,6921.73 cw(c4322.1,6908.73) 4335.1,6908.73 4335.1,6892.73 ccw(c4337.1,6892.73) 4337.1,6890.73 4372.1,6890.73 ccw(c4372.1,6891.73) 4373.1,6891.73 4373.1,6981.73 ccw(c4370.1,6981.73) 4370.1,6984.73
GND on Top Layer "GND_L01_P008" (solid, pour order 8): 4337.74,5970.9 4337.27,5970.9 ccw(c4337.27,5968.73) 4335.1,5968.73 4335.1,5960.73 cw(c4314.1,5960.73) 4314.1,5939.73 ccw(c4314.1,5924.73) 4299.1,5924.73 4299.1,5922.73 ccw(c4314.1,5922.73) 4314.1,5907.73 4323.1,5907.73 cw(c4323.1,5894.73) 4336.1,5894.73 4336.1,5878.73 ccw(c4338.1,5878.73) 4338.1,5876.73 4373.1,5876.73 ccw(c4373.1,5877.73) 4374.1,5877.73 4374.1,5967.73 ccw(c4371.1,5967.73) 4371.1,5970.73
GND on Top Layer "GND_L01_P007" (solid, pour order 7): 4337.74,4956.9 4337.27,4956.9 ccw(c4337.27,4954.73) 4335.1,4954.73 4335.1,4946.73 cw(c4314.1,4946.73) 4314.1,4925.73 ccw(c4314.1,4910.73) 4299.1,4910.73 4299.1,4908.73 ccw(c4314.1,4908.73) 4314.1,4893.73 4323.1,4893.73 cw(c4323.1,4880.73) 4336.1,4880.73 4336.1,4864.73 ccw(c4338.1,4864.73) 4338.1,4862.73 4373.1,4862.73 ccw(c4373.1,4863.73) 4374.1,4863.73 4374.1,4953.73 ccw(c4371.1,4953.73) 4371.1,4956.73
GND on Top Layer "GND_L01_P006" (solid, pour order 6): 4337.74,3942.9 4337.27,3942.9 ccw(c4337.27,3940.73) 4335.1,3940.73 4335.1,3932.73 cw(c4314.1,3932.73) 4314.1,3911.73 ccw(c4314.1,3896.73) 4299.1,3896.73 4299.1,3894.73 ccw(c4314.1,3894.73) 4314.1,3879.73 4323.1,3879.73 cw(c4323.1,3866.73) 4336.1,3866.73 4336.1,3850.73 ccw(c4338.1,3850.73) 4338.1,3848.73 4373.1,3848.73 ccw(c4373.1,3849.73) 4374.1,3849.73 4374.1,3939.73 ccw(c4371.1,3939.73) 4371.1,3942.73
GND on Top Layer "GND_L01_P005" (solid, pour order 5): 4336.74,2928.9 4336.27,2928.9 ccw(c4336.27,2926.73) 4334.1,2926.73 4334.1,2918.73 cw(c4313.1,2918.73) 4313.1,2897.73 ccw(c4313.1,2882.73) 4298.1,2882.73 4298.1,2880.73 ccw(c4313.1,2880.73) 4313.1,2865.73 4322.1,2865.73 cw(c4322.1,2852.73) 4335.1,2852.73 4335.1,2836.73 ccw(c4337.1,2836.73) 4337.1,2834.73 4372.1,2834.73 ccw(c4372.1,2835.73) 4373.1,2835.73 4373.1,2925.73 ccw(c4370.1,2925.73) 4370.1,2928.73
GND on Top Layer "GND_L01_P004" (solid, pour order 4): 4336.74,1914.9 4336.27,1914.9 ccw(c4336.27,1912.73) 4334.1,1912.73 4334.1,1904.73 cw(c4313.1,1904.73) 4313.1,1883.73 ccw(c4313.1,1868.73) 4298.1,1868.73 4298.1,1866.73 ccw(c4313.1,1866.73) 4313.1,1851.73 4322.1,1851.73 cw(c4322.1,1838.73) 4335.1,1838.73 4335.1,1822.73 ccw(c4337.1,1822.73) 4337.1,1820.73 4372.1,1820.73 ccw(c4372.1,1821.73) 4373.1,1821.73 4373.1,1911.73 ccw(c4370.1,1911.73) 4370.1,1914.73
GND on Top Layer "GND_L01_P003" (solid, pour order 3): 4337.65,900.17 4337.17,900.17 ccw(c4337.17,898) 4335,898 4335,890 cw(c4314,890) 4314,869 ccw(c4314,854) 4299,854 4299,852 ccw(c4314,852) 4314,837 4323,837 cw(c4323,824) 4336,824 4336,808 ccw(c4338,808) 4338,806 4373,806 ccw(c4373,807) 4374,807 4374,897 ccw(c4371,897) 4371,900
+3V3 on Layer 2 "Layer 2-+3V3" (solid, pour order 57): 715,3950 cw(c715,3850) 815,3850 815,2295 ccw(c915,2295) 915,2195 2865,2195 ccw(c2865,2295) 2965,2295 2965,2420 cw(c3065,2420) 3065,2520 3360,2520 ccw(c3360,2620) 3460,2620 3460,2740 ccw(c3360,2740) 3360,2840 3350,2840 cw(c3350,2885) 3305,2885 3305,2995 cw(c3350,2995) 3350,3040 3445,3040 ccw(c3445,3080) 3485,3080 3485,3220 cw(c3565,3220) 3565,3300 3670,3300 ccw(c3670,3375) 3745,3375 3745,4085 ccw(c3665,4085) 3665,4165 3540,4165 cw(c3540,4265) 3440,4265 3440,4455 ccw(c3390,4455) 3390,4505 3375,4505 cw(c3375,4575) 3375,4645 3440,4645 ccw(c3440,4680) 3475,4680 3475,4865 cw(c3575,4865) 3575,4965 3605,4965 ccw(c3605,5045) 3685,5045 3685,5410 ccw(c3605,5410) 3605,5490 3535,5490 cw(c3535,5590) 3435,5590 3435,5975 ccw(c3385,5975) 3385,6025 cw(c3385,6125) 3285,6125 cw(c3375,6125) 3375,6215 3425,6215 ccw(c3425,6260) 3470,6260 3470,6385 cw(c3550,6385) 3550,6465 3620,6465 ccw(c3620,6550) 3705,6550 3705,6570 ccw(c3605,6570) 3605,6670 3070,6670 cw(c3070,6770) 2970,6770 2970,7229 ccw(c2870,7229) 2870,7329 2574,7329 ccw(c2574,7306) 2551,7306 2551,7263 cw(c2529,7263) 2529,7241 2410,7241 ccw(c2410,7217) 2386,7217 cw(c2364,7217) 2364,7195 111,7195 ccw(c111,7095) 11,7095 11,4050 ccw(c111,4050) 111,3950
+12 on Layer 2 "Layer 2-+12" (solid, pour order 55): 1555,1471 ccw(c1648,1471) 1648,1378 ccw(c1648,1436) 1706,1436 1706,1452 cw(c1755,1452) 1755,1501 1807,1501 ccw(c1807,1594) 1900,1594 1900,1616 cw(c1931,1616) 1931,1647 3462,1647 cw(c3462,1599) 3508.74,1609.94 3510,1610.83 3510,10 5330,10 5330,9245 1522.34,9245 1522.7,9240 1226,9240 ccw(c1226,9140) 1126,9140 1126,7403 ccw(c1226,7403) 1226,7303 2326,7303 ccw(c2326,7383) 2406,7383 cw(c2438,7383) 2438,7415 2675,7415 ccw(c2675,7515) 2775,7515 2775,7533 cw(c2865,7533) 2851.62,7622 3620,7622 cw(c3620,7522) 3720,7522 3720,6545 cw(c3625,6545) 3625,6450 3555,6450 ccw(c3555,6380) 3485,6380 3485,6255 cw(c3425,6255) 3425,6195 3360,6195 ccw(c3360,6135) 3300,6135 3300,6125 ccw(c3390,6125) 3390,6035 cw(c3390,5975) 3450,5975 3450,5590 ccw(c3530,5590) 3530,5510 3600,5510 cw(c3600,5410) 3700,5410 3700,5035 cw(c3610,5035) 3610,4945 3590,4945 ccw(c3590,4845) 3490,4845 3490,4670 cw(c3450,4670) 3450,4630 3375,4630 ccw(c3375,4575) 3375,4520 3390,4520 cw(c3390,4450) 3460,4450 3460,4280 ccw(c3555,4280) 3555,4185 3665,4185 cw(c3665,4085) 3765,4085 3765,3365 cw(c3680,3365) 3680,3280 3575,3280 ccw(c3575,3205) 3500,3205 3500,3080 cw(c3440,3080) 3440,3020 3405,3020 ccw(c3405,2930) 3315,2930 ccw(c3400,2930) 3400,2845 3440,2845 cw(c3440,2805) 3480,2805 3480,2555 cw(c3440,2555) 3440,2515 ccw(c3440,2475) 3400,2475 3400,2029 cw(c3313,2029) 3313,1942 1655,1942 ccw(c1655,1842) 1555,1842
+5 on Layer 2 "Layer 2-+5" (solid, pour order 46): 10,10 3260,10 ccw(c3260,95) 3345,95 3345,1220 ccw(c3245,1220) 3245,1320 2006,1320 cw(c2006,1349) 1977,1349 ccw(c1941,1349) 1941,1385 1836,1385 ccw(c1836,1350) 1801,1350 1801,1245 cw(c1701,1245) 1701,1145 110,1145 ccw(c110,1045) 10,1045
GND on Layer 1 "GND_L02_P036" (solid, pour order 36): 11,9237 14,9240 5330,9240 5330,11 5329.43,10.43 10.4,10.43

## Keep-outs
Keep-Out Layer:
  the board outline again, w20

## Silkscreen, mask and mechanical layers (free items; w line width, h text height)
Top Overlay:
  drawing of 46 lines, arcs and shapes, not listed
  text "ODD SWITCH NUMS ON TOP" at 1182,9039 h100
  text "EVEN SWITCH NUMS ON BOTTOM" at 1192,8829 h100
  text "TOGGLE SWITCH POSITIONS:" at 1190,8446 h100
  text "1 & 2" at 4095,8354 h100 r90
  text "RIGHT: ON (SWITCH CLOSED)" at 1413.22,8240.47 h100
  text "CENTER: MICROCONTROLLER" at 1405,8059 h100
  text "LEFT: OFF (SWITCH OPEN)" at 1405,7873 h100
  text "3 & 4" at 4105,7420 h100 r90
  text "12 V" at 1197,7203 h100
  text "SBL2e" at 334,6903 h100
  text "SW1" at 1630,6900 h100
  text "SW2" at 2430,6900 h100
  text "5 & 6" at 4105,6403.47 h100 r90
  text "SW3" at 1620,6360 h100
  text "SW4" at 2444.9,6358.88 h100
  text "USB" at 595,6110 h100 r270
  text "SW5" at 1615.3,5811.85 h100
  text "SW6" at 2440.2,5810.72 h100
  text "7 & 8" at 4105,5390 h100 r90
  text "SW7" at 1615.3,5281.85 h100
  text "SW8" at 2440.2,5280.72 h100
  text "SW9" at 1625.3,4761.85 h100
  text "SW10" at 2410,4760 h100
  text "9 & 10" at 4105,4340 h100 r90
  text "SW11" at 1582.8,4210.76 h100
  text "SW12" at 2400,4210 h100
  text "JTAG" at 31,4176 h100
  text "SW13" at 1552.8,3680.76 h100
  text "SW14" at 2370,3680 h100
  text "Load Bank" at 242,3551 h100
  text "Master Board" at 87.65,3368.68 h100
  text "11 & 12" at 4105,3270 h100 r90
  text "SW15" at 1569.34,3158.72 h100
  text "SW16" at 2386.54,3157.95 h100
  text "Ben Liao" at 75,3055 h70
  text "Logan Horowitz" at 75,2898.33 h70
  text "Tahmid Mahbub" at 75,2735 h70
  text "SW17" at 1579.34,2608.72 h100
  text "SW18" at 2396.54,2607.95 h100
  text "Robert" at 81,2574 h70
  text "Pilawa-Podgurski" at 202.27,2441.35 h70
  text "13 & 14" at 4105,2250 h100 r90
  text "gitlab.com/pilawa-group/ben-liao-newloadbank" at 262,2034 h60
  text "github.com/benliao1/load_bank" at 462,1914 h60
  text "15 & 16" at 4105,1228.12 h100 r90
  text "SENSE 2" at 1547,812 h100
  text "SENSE 3" at 2613,809 h100
  text "SENSE 1" at 509,806 h100
  text "17 & 18" at 4105,230 h100 r90
Bottom Overlay:
  circle w8: c2166.25,1186 r30
  circle w8: c2246.5,1186 r30
  circle w8: c2326.75,1186 r30
  circle w8: c2407,1186 r30
  circle w8: c2366.75,1256 r30
  circle w8: c2286.25,1256 r30
  circle w8: c2206.25,1256 r30
  circle w8: c2126,1256 r30
  circle w8: c1997,1446 r30
  circle w8: c2087,1446 r30
  circle w8: c2447,1446 r30
  circle w8: c2537,1446 r30
  circle w8: c2594,7769 r30
  circle w8: c2594,7869 r30
  circle w8: c2594,8309 r30
  circle w8: c2594,8209 r30
  circle w8: c2749,8214 r30
  circle w8: c2749,8114 r30
  circle w8: c2849,8164 r30
  circle w8: c2849,8064 r30
  circle w8: c2749,8014 r30
  circle w8: c2749,7914 r30
  circle w8: c2849,7964 r30
  circle w8: c2849,7864 r30
  circle w8: c2994,7914 r30
  circle w8: c3094,7864 r30
  circle w8: c3094,7964 r30
  circle w8: c3094,8064 r30
  circle w8: c2994,8014 r30
  circle w8: c2994,8114 r30
  circle w8: c2994,8214 r30
  circle w8: c3094,8164 r30
  circle w8: c3254,7769 r30
  circle w8: c3254,7869 r30
  circle w8: c3254,8209 r30
  circle w8: c3254,8309 r30
  lines w8: 1875,1012 1892,986 ; 1892,1089 1892,986 ; 1910,1012 1892,986 ; 2057,1172 2122,1179 ; 2063,1295 2096,1293 ; 2072,1323 2096,1293 ; 2099,1199 2122,1179 ; 2105,1156 2122,1179 ; 2108,1321 2096,1293 ; 2280,1365 2336,1300 ; 2297,1309 2336,1300 ; 2343,1333 2336,1300 ; 2457,1263 2455,1222 ; 2490,1220 2455,1222 ; 2532,1297 2455,1222 ; 2601,1012 2618,986 ; 2618,1089 2618,986 ; 2636,1012 2618,986 ; 2641,7976 2703,7934 ; 2672,7921 2703,7934 ; 2708,7966 2703,7934 ; 2714,8296 2745,8272 ; 2737,8354 2745,8272 ; 2755,7797 2812,7835 ; 2774,8302 2745,8272 ; 2779,7848 2812,7835 ; 2813,7803 2812,7835 ; 2840,8245 2862,8219 ; 2878,8306 2862,8219 ; 2893,8235 2862,8219 ; 2933,7757 2979,7863 ; 2947,7859 2979,7863 ; 2994,7834 2979,7863 ; 3016,8311 3026,8273 ; 3070,8274 3026,8273 ; 3077,7789 3101,7814 ; 3080,8344 3026,8273 ; 3112,7731 3101,7814 ; 3132,7795 3101,7814 ; 3148,8103 3142,8142 ; 3185,8148 3142,8142 ; 3248,8080 3142,8142 ; 3529,7677 3632,7677 ; 3529,8403 3632,8403 ; 3606,7660 3632,7677 ; 3606,7695 3632,7677 ; 3606,8386 3632,8403 ; 3606,8421 3632,8403 ; 1848,934 2659,934 2659,1543 1848,1543 1848,934 ; 2343,7576 3670,7576 3670,8520 2343,8520 2343,7576
  lines w10: 363,6861 403,6821 ; 415,6984 403,6821 ; 445,6858 403,6821 ; 1257,7344 1302,7372 ; 1290,7275 1302,7372 ; 1331,7336 1302,7372 ; 1515,7382 1546,7420 ; 1564,7319 1546,7420 ; 1589,7390 1546,7420
  text "Switch Output Jack Pinout" at 4092,8820.32 h100
  text "For Debugging" at 3618,8607.32 h100
  text "SW1" at 2789,8381 h40
  text "GND" at 3146,8371 h40
  text "~SW1" at 2969,8332 h40
  text "Output This Way" at 3608.67,8321 h40 r90
  text "12V" at 3367,8019 h40
  text "12V" at 2624,7968 h40
  text "GND" at 2787.26,7729.63 h40
  text "~SW2" at 2997,7689 h40
  text "SW2" at 3168,7662 h40
  text "12 V" at 1254,7258 h40
  text "GND" at 1621,7256 h40
  text "3V3" at 466,6998 h40
  text "Current Sense Jack Pinout" at 3371,1814 h100
  text "For Debugging" at 2864.92,1624.81 h100
  text "VREF" at 2335,1388 h40
  text "GND" at 2059,1323 h40
  text "SENSE" at 2592,1321 h40
  text "5V" at 2034,1149 h40
  text "Output This Way" at 2536,1009.33 h40